# KiCad board DQBSC.kicad_pcb (continued)
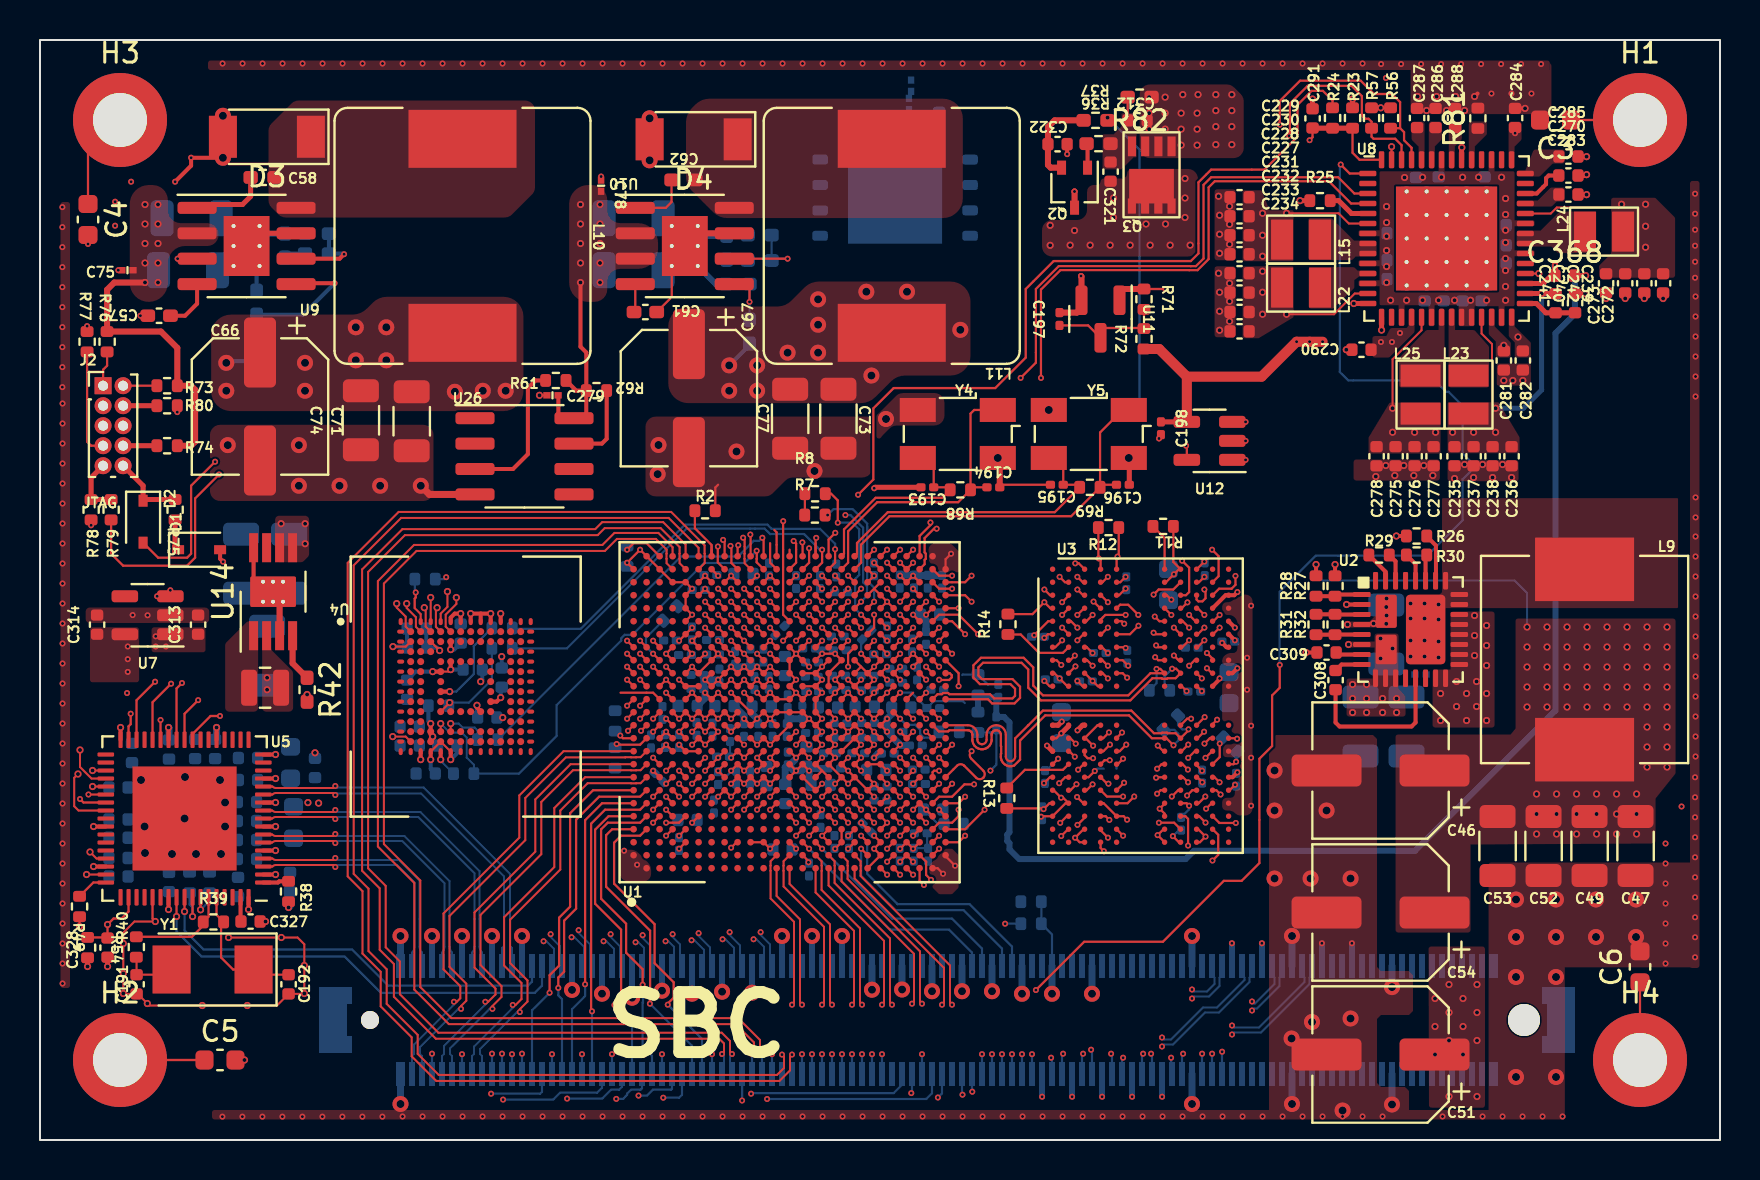
[diagram p0: board, top side]
## Routing (per net, layer and track width the routed paths; a pad name or vN(x,y) marks a point on that pad's centre or on a via; arc(x,y) is an arc through that point) (continued)
DRAM_DQS1_P: length 24.4
  TOP w0.11: U3.D10 57.88,26.59 v2(58.22,26.25) ; U1.AB21 v2(43.65,26.91)
  S1 w0.11: v2(43.65,26.91) 43.85,27.11 43.85,27.32 45.35,28.82 45.45,28.82 45.65,29.02 45.68,29.02 45.85,29.19 45.85,29.31 45.97,29.44 46.46,29.44 46.57,29.38 47.44,29.38 48.14,28.68 48.23,28.68 48.41,28.49 48.5,28.53 48.56,28.59 48.56,28.95 49.08,29.47 49.23,29.47 49.53,29.17 49.53,28.8 49.84,28.49 49.92,28.53 50.06,28.66 50.06,29.17 50.35,29.47 52.21,29.47 52.53,29.14 52.53,28.76 52.71,28.58 52.99,28.58 53.19,28.78 54.08,28.78 54.19,28.89 54.19,29.27 54.51,29.6 54.82,29.6 54.88,29.6 54.99,29.57 55.09,29.51 55.18,29.42 55.23,29.32 55.26,29.21 55.27,29.15 55.27,29.03 55.27,28.99 55.3,28.92 55.35,28.86 55.42,28.83 55.46,28.83 55.48,28.83 55.52,28.83 55.59,28.86 55.65,28.92 55.68,28.99 55.68,29.03 55.68,29.15 55.68,29.21 55.71,29.32 55.77,29.42 55.85,29.51 55.95,29.57 56.07,29.6 56.12,29.6 57.41,29.6 57.87,29.14 57.87,28.53 57.61,28.28 57.61,27.62 57.96,27.27 57.96,26.51 v2(58.22,26.25)
DRAM_DQS2_N: length 21
  TOP w0.11: v2(52.63,17.78) 52.34,17.49 U3.V3 ; U1.AC1 43.98,12.97 v2(44.2,12.75)
  S2 w0.11: v2(44.2,12.75) 44.37,12.75 44.49,12.64 44.49,12.51 44.25,12.27 43.84,12.27 43.56,11.99 43.56,11.43 44.04,10.95 44.45,10.95 44.78,11.28 44.78,11.64 45.06,11.92 45.36,11.92 ; v2(52.63,17.78) 52.63,17.33 52.75,17.2 52.75,16.41 53.01,16.16 53.01,14.99 52.7,14.68 52.7,13.77 52.4,13.46 52.4,12.09 52.07,11.77 51.51,11.77 51.16,11.41 50.44,11.41 arc(49.98,11.6) 49.79,12.06 49.79,12.63 arc(49.68,12.92) 49.39,13.03 arc(49.11,12.92) 48.99,12.63 48.99,12.06 arc(48.8,11.6) 48.34,11.41 47.65,11.41 47.09,11.97 46.58,11.97
DRAM_DQS2_P: length 20.6
  TOP w0.11: U3.W3 52.16,16.84 v2(51.85,17.15) ; U1.AC2 44.3,13.91 44.3,13.25 v2(44.55,13.01)
  S2 w0.11: 45.26,12.17 44.96,12.17 44.53,11.74 44.53,11.38 44.35,11.2 44.15,11.2 43.81,11.54 43.81,11.89 43.94,12.02 44.35,12.02 44.74,12.41 44.74,12.74 44.55,12.93 v2(44.55,13.01) ; v2(51.85,17.15) 52.45,17.15 52.5,17.1 52.5,16.31 52.76,16.05 52.76,15.09 52.45,14.79 52.45,13.87 52.15,13.57 52.15,12.2 51.97,12.02 51.41,12.02 51.05,11.66 50.44,11.66 arc(50.16,11.78) 50.04,12.06 50.04,12.63 arc(49.85,13.09) 49.39,13.28 arc(48.93,13.09) 48.74,12.63 48.74,12.06 arc(48.63,11.78) 48.34,11.66 47.75,11.66 47.19,12.22 46.58,12.22
DRAM_DQS3_N: length 24.6
  TOP w0.11: U3.V10 57.62,17.49 v2(57.35,17.22) ; U1.AC5 v2(44.3,15.86)
  S1 w0.11: v2(44.3,15.86) 44.3,15.69 44.41,15.58 44.51,15.58 44.73,15.8 45.34,15.8 45.64,15.5 45.64,14.99 45.79,14.84 46.75,14.84 arc(46.83,14.87) 46.85,14.94 46.85,15.71 arc(46.96,15.96) 47.2,16.06 arc(47.45,15.96) 47.55,15.71 47.55,14.94 arc(47.58,14.87) 47.65,14.84 48,14.84 48.23,15.07 48.23,15.57 48.7,16.04 49.21,16.04 49.68,15.57 49.68,15.27 49.91,15.04 50.2,15.04 50.43,15.27 50.43,16.17 50.9,16.64 54.61,16.64 55.18,16.07 55.18,14.97 55.5,14.65 56.93,14.65 57.23,14.35 57.53,14.35 57.75,14.57 57.75,16.84 57.36,17.22 v2(57.35,17.22)
DRAM_DQS3_P: length 25.6
  TOP w0.11: v2(58.27,17.17) 57.93,16.84 U3.W10 ; U1.AB5 v2(43.65,15.86)
  S1 w0.11: v2(43.65,15.86) 44.21,15.31 44.59,15.31 44.83,15.55 45.24,15.55 45.39,15.39 45.39,14.89 45.69,14.59 46.75,14.59 arc(47,14.69) 47.1,14.94 47.1,15.71 arc(47.13,15.79) 47.2,15.81 arc(47.28,15.79) 47.3,15.71 47.3,14.94 arc(47.41,14.69) 47.65,14.59 48.11,14.59 48.48,14.96 48.48,15.46 48.81,15.79 49.1,15.79 49.43,15.46 49.43,15.16 49.8,14.79 50.31,14.79 50.68,15.16 50.68,16.06 51.01,16.39 54.5,16.39 54.93,15.96 54.93,14.86 55.4,14.4 56.83,14.4 57.13,14.1 57.63,14.1 57.96,14.43 57.96,16.87 v2(58.27,17.17)
DRAM_nCS0_A: length 16.6
  TOP w0.11: U3.H4 53.12,23.99 v2(53.39,23.71) ; U1.AE18 v2(45.6,24.31)
  PW2 w0.11: v2(45.6,24.31) 45.71,24.21 45.89,24.21 45.96,24.28 45.96,24.63 45.76,24.83 45.57,24.83 45.46,24.94 45.46,25.09 45.63,25.26 45.74,25.26 46.03,24.97 46.07,24.97 arc(46.14,24.94) 46.17,24.87 46.17,24.77 arc(46.2,24.7) 46.27,24.67 arc(46.34,24.7) 46.37,24.77 46.37,24.87 arc(46.4,24.94) 46.47,24.97 arc(46.54,24.94) 46.57,24.87 46.57,24.77 arc(46.6,24.7) 46.67,24.67 arc(46.74,24.7) 46.77,24.77 46.77,24.87 arc(46.8,24.94) 46.87,24.97 arc(46.94,24.94) 46.97,24.87 46.97,24.77 arc(47,24.7) 47.07,24.67 arc(47.14,24.7) 47.17,24.77 47.17,24.87 arc(47.2,24.94) 47.27,24.97 arc(47.34,24.94) 47.37,24.87 47.37,24.77 arc(47.4,24.7) 47.47,24.67 arc(47.54,24.7) 47.57,24.77 47.57,24.87 arc(47.6,24.94) 47.67,24.97 arc(47.74,24.94) 47.77,24.87 47.77,24.77 arc(47.8,24.7) 47.87,24.67 arc(47.94,24.7) 47.97,24.77 47.97,24.87 arc(48,24.94) 48.07,24.97 48.36,24.97 arc(48.4,24.95) 48.41,24.92 arc(48.43,24.88) 48.47,24.86 48.61,24.86 arc(48.65,24.88) 48.66,24.92 arc(48.68,24.95) 48.72,24.97 48.86,24.97 arc(48.9,24.95) 48.91,24.92 arc(48.93,24.88) 48.97,24.86 49.11,24.86 arc(49.15,24.88) 49.16,24.92 arc(49.18,24.95) 49.22,24.97 49.44,24.97 49.61,24.81 49.89,24.81 50.05,24.65 50.05,24.64 50.18,24.64 50.51,24.97 50.68,24.97 51,24.64 51.33,24.64 51.42,24.55 51.86,24.55 52.14,24.27 52.22,24.27 52.29,24.34 52.29,24.81 52.36,24.89 52.51,24.89 52.94,24.46 52.94,24.2 52.84,24.1 52.84,23.96 52.94,23.86 53.1,23.86 53.29,24.05 53.95,24.05 54.02,23.99 54.02,23.76 53.97,23.71 v2(53.39,23.71)
DRAM_nCS0_B: length 16.6
  TOP w0.11: v2(53.5,19.77) 53.17,19.44 U3.R4 ; U1.AC9 v2(43.65,19.11)
  PW2 w0.11: v2(43.65,19.11) 43.65,18.91 44.06,18.51 44.06,17.71 44.15,17.61 44.55,17.61 44.64,17.7 44.64,17.91 44.84,18.11 45.02,18.11 45.48,18.57 46.85,18.57 47.98,17.45 48.86,17.45 arc(48.95,17.48) 48.98,17.57 arc(49.02,17.65) 49.1,17.69 49.21,17.69 arc(49.3,17.65) 49.33,17.57 arc(49.37,17.48) 49.45,17.45 52.71,17.45 52.92,17.66 52.92,17.82 53.25,18.15 53.75,18.15 54.53,18.93 54.53,19.13 54.15,19.51 54.05,19.51 53.8,19.77 v2(53.5,19.77)
DRAM_nCS1_A: length 16.7
  TOP w0.11: U3.H3 52.35,23.99 v2(52.63,23.71) ; U1.AC18 v2(44.3,24.31)
  PW2 w0.11: v2(52.63,23.71) 52.97,23.37 52.97,22.85 52.74,22.62 51.37,22.62 arc(51.31,22.64) 51.29,22.7 arc(51.27,22.75) 51.22,22.77 50.77,22.77 arc(50.71,22.75) 50.69,22.7 arc(50.67,22.64) 50.62,22.62 49.96,22.62 49.4,23.19 49.23,23.19 arc(49.16,23.16) 49.13,23.09 49.13,22.94 arc(49.1,22.87) 49.03,22.84 arc(48.96,22.87) 48.93,22.94 48.93,23.09 arc(48.9,23.16) 48.83,23.19 arc(48.76,23.16) 48.73,23.09 48.73,22.94 arc(48.7,22.87) 48.63,22.84 arc(48.56,22.87) 48.53,22.94 48.53,23.09 arc(48.5,23.16) 48.43,23.19 arc(48.36,23.16) 48.33,23.09 48.33,22.94 arc(48.3,22.87) 48.23,22.84 arc(48.16,22.87) 48.13,22.94 48.13,23.09 arc(48.1,23.16) 48.03,23.19 arc(47.96,23.16) 47.93,23.09 47.93,22.94 arc(47.9,22.87) 47.83,22.84 arc(47.76,22.87) 47.73,22.94 47.73,23.09 arc(47.7,23.16) 47.63,23.19 arc(47.56,23.16) 47.53,23.09 47.53,22.94 arc(47.5,22.87) 47.43,22.84 arc(47.36,22.87) 47.33,22.94 47.33,23.09 arc(47.3,23.16) 47.23,23.19 arc(47.16,23.16) 47.13,23.09 47.13,22.94 arc(47.1,22.87) 47.03,22.84 arc(46.96,22.87) 46.93,22.94 46.93,23.09 arc(46.9,23.16) 46.83,23.19 arc(46.76,23.16) 46.73,23.09 46.73,22.94 arc(46.7,22.87) 46.63,22.84 arc(46.56,22.87) 46.53,22.94 46.53,23.09 arc(46.5,23.16) 46.43,23.19 45.79,23.19 45.27,22.67 44.88,22.67 44.66,22.89 44.66,23.14 44.49,23.31 44.2,23.31 44,23.51 44,24.01 v2(44.3,24.31)
DRAM_nCS1_B: length 16.6
  TOP w0.11: U3.R3 52.23,19.24 52.38,19.09 v2(52.65,19.09) ; v2(44.95,18.46) 44.7,18.46 44.63,18.39 U1.AD8
  PW2 w0.11: v2(44.95,18.46) 45,18.46 45.35,18.81 45.75,18.81 45.95,19.01 46.15,19.01 46.35,18.81 47.75,18.81 arc(47.84,18.78) 47.88,18.69 47.88,18.09 arc(47.92,18) 48,17.96 arc(48.09,18) 48.13,18.09 48.13,18.69 arc(48.17,18.78) 48.25,18.81 arc(48.34,18.78) 48.38,18.69 48.38,18.09 arc(48.42,18) 48.5,17.96 arc(48.59,18) 48.63,18.09 48.63,18.69 arc(48.67,18.78) 48.75,18.81 48.85,18.81 49.45,18.21 51.05,18.21 arc(51.14,18.18) 51.18,18.09 arc(51.22,18) 51.3,17.96 51.4,17.96 arc(51.49,18) 51.53,18.09 arc(51.57,18.18) 51.65,18.21 51.95,18.21 52.02,18.15 52.09,18.15 arc(52.18,18.19) 52.22,18.28 arc(52.26,18.37) 52.34,18.4 arc(52.43,18.37) 52.47,18.28 arc(52.51,18.19) 52.59,18.15 52.89,18.15 53.15,18.41 53.55,18.41 53.78,18.64 53.78,19.11 53.61,19.28 53.36,19.28 53.19,19.11 53.19,18.95 53.05,18.81 52.75,18.81 52.65,18.91 v2(52.65,19.09)
DRAM_nRST: length 20.5
  TOP w0.11: v2(58.99,19.82) 58.99,19.15 U3.T11 ; U1.AB13 v2(43.65,21.06)
  S1 w0.11: v2(43.65,21.06) 43.65,21.21 43.95,21.51 45.75,21.51 45.95,21.31 49.35,21.31 50.15,22.11 51.55,22.11 51.98,22.54 52.61,22.54 52.7,22.51 53.75,22.51 54.35,21.91 58.75,21.91 59.55,21.11 59.55,20.39 v2(58.99,19.82)
DRAM_VREF: length 2.7
  TOP w0.25: U8.31 75.17,42.82 75.17,42.84 75.55,43.22 C368.1
  TOP w0.3: C368.1 v2(75.75,43.74)
  BOT w0.3: R67.2 75.72,43.71 v2(75.75,43.74)
DRAMREF: length 67.1
  TOP w0.11: U1.AA14 v2(43,22.36)
  BOT w0.11: v2(43,22.36) 43.57,22.36 C315.1 44.69,21.94 46.15,21.94 46.24,21.85
  BOT w0.3: R67.1 76.74,41.3 75.77,40.33 75.77,21.48 68.76,14.46 57.69,14.46 57.28,14.05 48.96,14.05 48.47,14.53 48.47,14.84 48.36,14.95 48.36,15.28 48.47,15.39 48.47,20.88 48.2,21.15 C317.2 47.81,22.04 C318.1 47.01,22.14 R66.2 R65.1
DSI_CLK_N: length 21.7
  TOP w0.11: U1.C16 v2(30.65,23.66)
  S1 w0.1: v2(31.28,9.94) 31.28,10.08 26.25,15.1 26.25,21.83 26.84,22.41 30.14,22.41 30.45,22.73 30.45,23.08 30.83,23.45 30.83,23.49 v2(30.65,23.66)
  BOT w0.1: v2(31.28,9.94) 31.42,9.94 31.7,9.66 31.7,9.25 31.6,9.15 J1.A28
DSI_CLK_P: length 21.7
  TOP w0.11: U1.D16 v2(31.3,23.66)
  S1 w0.1: v2(31.3,23.66) 31.13,23.49 31.13,23.33 30.75,22.95 30.75,22.6 30.27,22.11 26.97,22.11 26.55,21.7 26.55,15.23 31.49,10.29 v2(31.63,10.29)
  BOT w0.1: v2(31.63,10.29) 31.63,10.15 32,9.78 32,9.25 32.1,9.15 J1.A29
DSI_D0_N: length 22
  TOP w0.11: U1.A17 v2(29.35,24.31)
  S1 w0.1: v2(29.35,24.31) 25.07,24.31 24.31,23.56 24.31,12.54 26.58,10.28 v2(26.58,10.14)
  BOT w0.1: J1.A19 27.1,9.15 27.2,9.25 27.2,9.66 26.72,10.14 v2(26.58,10.14)
DSI_D0_P: length 22.3
  TOP w0.11: U1.B17 v2(30,24.31)
  S1 w0.1: v2(30,24.31) 29.7,24.01 25.19,24.01 24.61,23.44 24.61,12.67 26.79,10.49 v2(26.93,10.49)
  BOT w0.1: J1.A20 27.6,9.15 27.5,9.25 27.5,9.78 26.93,10.35 v2(26.93,10.49)
DSI_D1_N: length 21
  TOP w0.11: U1.A16 v2(29.35,23.66)
  S1 w0.1: v2(29.35,23.66) 25.69,23.66 25,22.98 25,13.25 28.18,10.08 v2(28.18,9.94)
  BOT w0.1: v2(28.18,9.94) 28.32,9.94 28.7,9.56 28.7,9.25 28.6,9.15 J1.A22
DSI_D1_P: length 21.3
  TOP w0.11: U1.B16 v2(30,23.66)
  S1 w0.1: v2(30,23.66) 29.7,23.36 25.82,23.36 25.3,22.85 25.3,13.38 28.39,10.29 v2(28.53,10.29)
  BOT w0.1: J1.A23 29.1,9.15 29,9.25 29,9.68 28.53,10.15 v2(28.53,10.29)
DSI_D2_N: length 22.8
  TOP w0.11: U1.A18 v2(29.35,24.96)
  S1 w0.1: v2(25.18,9.94) 25.18,10.08 23.62,11.64 23.62,23.89 24.69,24.96 v2(29.35,24.96)
  BOT w0.1: J1.A16 25.6,9.15 25.7,9.25 25.7,9.56 25.32,9.94 v2(25.18,9.94)
DSI_D2_P: length 23.1
  TOP w0.11: U1.B18 v2(30,24.96)
  S1 w0.1: v2(25.53,10.29) 25.39,10.29 23.92,11.76 23.92,23.77 24.82,24.66 29.7,24.66 v2(30,24.96)
  BOT w0.1: J1.A17 26.1,9.15 26,9.25 26,9.68 25.53,10.15 v2(25.53,10.29)
DSI_D3_N: length 20.2
  TOP w0.11: U1.A15 v2(29.35,23.01)
  S1 w0.1: v2(29.78,9.89) 29.78,10.03 25.59,14.22 25.59,22.3 26.3,23.01 v2(29.35,23.01)
  BOT w0.1: J1.A25 30.1,9.15 30.2,9.25 30.2,9.61 29.92,9.89 v2(29.78,9.89)
DSI_D3_P: length 20.4
  TOP w0.11: U1.B15 v2(30,23.01)
  S1 w0.1: v2(30,23.01) 29.7,22.71 26.43,22.71 25.89,22.17 25.89,14.35 29.99,10.24 v2(30.13,10.24)
  BOT w0.1: J1.A26 30.6,9.15 30.5,9.25 30.5,9.73 30.13,10.1 v2(30.13,10.24)
ENET_INT: length 1.6
  TOP w0.11: U5.51 2.67,12.87 R49.2
ENET_MDC: length 6.1
  TOP w0.1: v4(2.5,14.4) 2.83,14.07 U5.48
  TOP w0.11: U1.N20 37.15,26.26 37.15,30.93 v2(37.16,30.94)
ENET_MDIO: length 1.4
  TOP w0.1: U5.50 v4(2.33,13.27)
  TOP w0.11: U1.N19 v2(37.15,24.96)
ENET_NRST: length 3.7
  TOP w0.11: U5.53 4.43,11.42 4.08,11.07 3.68,11.07 v4(3.38,10.77) C328.1 3.35,10.13 R54.2
ENET_RD0: length 37.9
  TOP w0.11: U1.U19 v2(39.75,25.61) ; U5.29 v2(6.03,21)
  S2 w0.11: v2(39.75,25.61) 39.52,25.61 39.23,25.32 39.04,25.32 38.75,25.03 38.75,24.8 36.61,22.66 36.38,22.66 36.21,22.49 36.21,22.26 35.96,22.01 28.64,22.01 28.2,22.45 21.75,22.45 20.85,21.55 8.75,21.55 8.02,20.81 7.19,20.81 7,21 v2(6.03,21)
ENET_RD1: length 43.5
  TOP w0.11: v2(7.1,22.85) 6.83,22.58 U5.27 ; U1.U21 v2(40.4,26.91)
  S2 w0.11: v2(40.4,26.91) 40.17,26.91 39.88,26.62 39.6,26.62 39.4,26.82 39.4,27.04 39.23,27.21 39.01,27.21 38.81,27.41 38.81,27.69 38.64,27.86 38.39,27.86 38.11,28.14 38.11,28.55 37.28,29.39 37.28,29.64 37.15,29.77 37.15,30.43 36.06,31.51 18.15,31.51 12.15,25.51 9.75,25.51 7.1,22.86 v2(7.1,22.85)
ENET_RD2: length 41.1
  TOP w0.11: U1.U20 v2(40.4,26.26) ; v2(7.91,21.99) 7.23,21.31 U5.26
  S2 w0.11: v2(40.4,26.26) 40.11,25.97 37.66,25.97 37.02,26.61 37.02,26.81 36.63,27.21 36.43,27.21 36.21,27.44 36.21,27.63 35.92,27.92 35.73,27.92 34.3,29.35 34.3,29.38 32.28,29.38 31.45,30.21 24.74,30.21 24.37,30.59 21.86,30.59 21.24,29.96 18.35,29.96 12.9,24.51 10.63,24.51 10.23,24.11 10.03,24.11 v2(7.91,21.99)
ENET_RD3: length 36.6
  TOP w0.11: U1.V19 v2(40.4,25.61) ; U5.25 7.63,20.3 8.53,21.2 v2(9,21.2)
  S2 w0.11: v2(9,21.2) 21.77,21.2 22.17,21.6 27.03,21.6 27.22,21.41 35.97,21.41 36.8,22.24 36.8,22.57 38.23,24 39.2,24 39.46,24.25 39.46,25.15 39.63,25.32 40.11,25.32 v2(40.4,25.61)
ENET_RX_CTL: length 44.3
  TOP w0.11: U1.T21 v2(39.75,26.91) ; v2(6.55,22.81) 5.63,21.89 U5.30
  S2 w0.11: v2(39.75,26.91) 39.75,27.15 39.46,27.44 39.46,27.69 39.29,27.86 38.96,27.86 38.75,28.07 38.75,28.45 37.35,29.85 37.35,30.1 37.48,30.23 37.48,31.48 37.09,31.86 18.1,31.86 11.95,25.71 9.51,25.71 6.61,22.81 v2(6.55,22.81)
ENET_RXC: length 47.3
  TOP w0.11: v2(5.75,22.91) 4.83,21.99 U5.32 ; U1.T20 v2(39.75,26.26)
  S2 w0.11: v2(5.75,22.91) 10.86,28.02 10.86,28.04 13.31,30.49 13.39,30.49 15.06,32.16 37.22,32.16 37.86,31.53 37.86,30.61 38.75,29.72 38.75,29.45 39.46,28.74 39.46,28.09 39.63,27.92 39.82,27.92 40.11,27.63 40.11,27.44 40.34,27.21 40.55,27.21 40.7,27.06 40.7,26.79 40.47,26.56 40.1,26.56 39.8,26.26 v2(39.75,26.26)
ENET_TD0: length 47.7
  TOP w0.1: v4(2,19.5) 2,18.65 2.58,18.07 U5.38
  TOP w0.11: U1.R20 v2(38.45,26.26)
  S2 w0.11: v2(38.45,26.26) 38.1,26.62 38.1,27.1 37.18,28.02 37.18,28.91 36.75,29.35 36.75,30.18 35.94,30.99 21.61,30.99 21.34,30.71 18.15,30.71 12.55,25.11 10.3,25.11 7.5,22.31 4.74,22.31 4.47,22.05 3.89,22.05 2,20.16 v4(2,19.5)
ENET_TD1: length 51.5
  TOP w0.1: 2.42,17.28 v2(2.42,17.27) U5.40
  TOP w0.11: U1.R21 v2(39.1,26.26)
  S2 w0.11: v2(39.1,26.26) 38.81,26.56 38.81,26.98 38.54,27.25 38.3,27.25 37.46,28.09 37.46,28.92 36.95,29.43 36.95,30.28 36.02,31.21 18.15,31.21 12.26,25.31 10.15,25.31 7.35,22.51 5.23,22.51 5.1,22.64 3.88,22.64 1.57,20.33 1.57,16.93 1.8,16.7 2.15,16.7 2.42,16.97 2.42,17.28
ENET_TD2: length 47.5
  TOP w0.11: U1.R19 v2(38.45,25.61) ; v2(2,17.05) 2.18,16.87 U5.41
  S2 w0.11: v2(2,17.05) 2,17.59 2.23,17.82 2.23,18.58 3.55,19.9 3.55,20.75 4.42,21.61 5.65,21.61 5.73,21.7 8.05,21.7 10.27,23.91 13.3,23.91 19,29.61 21.21,29.61 21.98,30.39 23.93,30.39 24.45,29.86 30.93,29.86 31.68,29.11 34.21,29.11 35.56,27.76 35.56,27.38 35.73,27.21 35.98,27.21 36.21,26.98 36.21,26.74 36.33,26.61 36.57,26.61 36.84,26.35 36.84,26.16 37.39,25.61 v2(38.45,25.61)
ENET_TD3: length 49.1
  TOP w0.1: v4(1.9,18.3) 1.71,18.11 1.71,16.69 1.93,16.47 U5.42
  TOP w0.11: U1.P20 v2(37.8,26.26)
  S2 w0.11: v2(37.8,26.26) 37.8,26.47 36.97,27.31 36.97,28.85 36.55,29.26 36.55,30.1 35.86,30.79 21.78,30.79 21.35,30.36 18.2,30.36 12.75,24.91 10.38,24.91 7.38,21.91 5.66,21.91 5.6,21.85 3.99,21.85 3.35,21.21 3.35,20.25 1.9,18.8 v4(1.9,18.3)
ENET_TX_CTL: length 37.7
  TOP w0.11: v2(4.53,21.31) 4.53,20.79 4.43,20.68 U5.33 ; U1.P19 v2(37.8,24.96)
  S2 w0.11: v2(4.53,21.31) 5.64,21.31 5.64,21.33 5.81,21.5 6.77,21.5 6.85,21.41 8.05,21.41 10.35,23.71 19.19,23.71 19.52,24.05 22.75,24.05 23.08,23.71 23.65,23.71 24.15,24.21 27.75,24.21 28.6,23.37 35.98,23.37 36.15,23.54 36.15,23.73 36.38,23.96 36.63,23.96 37.63,24.96 v2(37.8,24.96)
ENET_TXC: length 42.3
  TOP w0.1: v4(2.63,18.47) U5.37
  TOP w0.11: U1.T19 v2(39.1,25.61)
  S2 w0.11: v4(2.63,18.47) 3.82,18.47 5.45,20.1 5.45,20.83 5.73,21.11 5.73,21.12 5.91,21.3 6.15,21.3 6.25,21.2 8.12,21.2 8.74,21.81 19.3,21.81 21,23.51 27.63,23.51 28.48,22.66 35.33,22.66 35.42,22.57 35.57,22.72 35.98,22.72 36.15,22.89 36.15,23.14 36.38,23.37 36.63,23.37 36.8,23.54 36.8,23.85 37.56,24.61 37.87,24.61 38.15,24.89 38.15,25.08 38.37,25.3 38.56,25.3 38.87,25.61 v2(39.1,25.61)
GBE0_MDI0_N: length 18.4
  TOP w0.1: U5.12 11.62,17.27 arc(11.7,17.33) 11.8,17.35 14.67,17.35 v2(14.77,17.25)
  BOT w0.1: v2(14.77,17.25) 14.84,17.32 19.05,17.32 23.2,13.18 23.2,9.7 23.1,9.6 J1.A11
GBE0_MDI0_P: length 18.9
  TOP w0.1: v2(14.77,17.7) 14.67,17.6 11.8,17.6 arc(11.7,17.62) 11.62,17.67 U5.13
  BOT w0.1: J1.A12 23.6,9.6 23.5,9.7 23.5,13.3 19.18,17.62 14.84,17.62 v2(14.77,17.7)
GBE0_MDI1_N: length 16.5
  TOP w0.1: v2(14.77,16.05) 14.67,16.15 11.79,16.15 arc(11.69,16.13) 11.61,16.07 U5.9
  BOT w0.1: J1.A8 21.6,9.37 arc(21.69,9.51) 21.73,9.67 21.73,13.34 18.91,16.15 14.87,16.15 v2(14.77,16.05)
GBE0_MDI1_P: length 16.9
  TOP w0.1: U5.10 11.61,16.47 arc(11.69,16.42) 11.79,16.4 14.67,16.4 v2(14.77,16.5)
  BOT w0.1: J1.A9 22.1,9.38 arc(22.01,9.51) 21.98,9.68 21.98,13.44 19.02,16.4 14.87,16.4 v2(14.77,16.5)
GBE0_MDI2_N: length 14.2
  TOP w0.1: v2(14.77,14.85) 14.67,14.95 11.79,14.95 arc(11.69,14.93) 11.61,14.87 U5.6
  BOT w0.1: J1.A5 20.1,9.37 arc(20.19,9.51) 20.23,9.67 20.23,12.84 18.11,14.95 14.87,14.95 v2(14.77,14.85)
GBE0_MDI2_P: length 14.6
  TOP w0.1: v2(14.77,15.3) 14.67,15.2 11.79,15.2 arc(11.69,15.22) 11.61,15.27 U5.7
  BOT w0.1: J1.A6 20.6,9.38 arc(20.51,9.51) 20.48,9.68 20.48,12.94 18.22,15.2 14.87,15.2 v2(14.77,15.3)
GBE0_MDI3_N: length 12.2
  TOP w0.1: v2(14.77,13.65) 14.67,13.75 11.8,13.75 arc(11.7,13.73) 11.62,13.67 U5.3
  BOT w0.1: J1.A2 18.6,9.37 arc(18.69,9.51) 18.73,9.67 18.73,12.87 17.85,13.75 14.87,13.75 v2(14.77,13.65)
GBE0_MDI3_P: length 12.6
  TOP w0.1: U5.4 11.62,14.07 arc(11.7,14.02) 11.8,14 14.67,14 v2(14.77,14.1)
  BOT w0.1: J1.A3 19.1,9.38 arc(19.01,9.51) 18.98,9.68 18.98,12.97 17.95,14 14.87,14 v2(14.77,14.1)
GPIO0: length 26.5
  TOP w0.11: U1.T6 v2(39.75,16.51)
  S2 w0.11: v2(39.75,16.51) 40.08,16.19 40.08,13.09 42.09,11.08 42.09,10.45 43.75,8.78 53.29,8.78 57.15,4.91 v2(57.15,4.31)
  BOT w0.11: J1.B79 57.1,4.26 v2(57.15,4.31)
GPIO1: length 27.3
  TOP w0.11: U1.T7 v2(39.1,17.16)
  S2 w0.11: v2(39.1,17.16) 38.81,16.87 38.81,13.81 41.89,10.73 41.89,10.36 43.66,8.58 53.06,8.58 56.55,5.09 v2(56.55,4.11)
  BOT w0.11: J1.B78 56.55,3.35 v2(56.55,4.11)
GPIO2: length 27.6
  TOP w0.11: U1.R4 v2(38.45,15.21)
  S1 w0.11: v2(38.45,15.21) 38.13,14.89 38.13,13.74 38.35,13.51 38.75,13.51 43.35,8.91 54.15,8.91 58.6,4.46 v2(58.6,4.31)
  BOT w0.11: v2(58.6,4.31) 58.6,4.31 J1.B82
GPIO3: length 28.2
  TOP w0.11: U1.P4 v2(37.8,15.21)
  S1 w0.11: v2(58.1,4.31) 58.1,4.56 53.95,8.71 43.15,8.71 38.75,13.11 37.55,13.11 37.35,13.31 37.35,14.76 v2(37.8,15.21)
  BOT w0.11: J1.B81 58.1,4.31 v2(58.1,4.31)
GPIO4: length 28
  TOP w0.11: U1.P5 v2(38.45,15.86)
  S1 w0.11: v2(59.1,4.41) 59.1,4.56 54.55,9.11 51.15,9.11 50.95,9.31 43.35,9.31 38.75,13.92 38.75,15.57 v2(38.45,15.86)
  BOT w0.11: J1.B83 59.1,4.41 v2(59.1,4.41)
GPIO5: length 27.1
  TOP w0.11: U1.P7 v2(38.45,17.16)
  S2 w0.11: v2(38.45,17.16) 38.13,16.84 38.13,13.76 40.31,11.58 40.69,11.58 41.69,10.58 41.69,10.28 43.58,8.38 52.49,8.38 55.55,5.31 v2(55.55,4.31)
  BOT w0.11: J1.B76 55.6,4.27 v2(55.55,4.31)
GPIO6: length 25.3
  TOP w0.11: U1.N5 v2(37.8,15.86)
  S2 w0.11: v2(37.8,15.86) 37.51,15.57 37.51,14.1 40.23,11.38 40.61,11.38 41.49,10.5 41.49,10.2 43.5,8.18 50.96,8.18 54.83,4.31 v2(55.15,4.31)
  BOT w0.11: J1.B75 55.1,4.26 v2(55.15,4.31)
GPIO8: length 26.9
  TOP w0.11: U1.N7 v2(37.8,17.16)
  S2 w0.11: v2(54.15,4.11) 54.15,4.51 52.2,6.47 43.31,6.47 42.35,7.43 42.35,7.53 40.9,8.98 40.9,10.17 40.33,10.75 40.3,10.75 37.11,13.93 37.11,16.47 v2(37.8,17.16)
  BOT w0.11: v2(54.15,4.11) 54.1,4.06 J1.B73
GPIO9: length 26.4
  TOP w0.11: U1.M6 v2(36.5,16.51)
  S2 w0.11: v2(53.55,4.31) 51.6,6.27 42.01,6.27 39.55,8.73 39.55,10.82 36.91,13.47 36.91,13.51 36.82,13.6 36.82,16.2 v2(36.5,16.51)
  BOT w0.11: J1.B72 53.6,4.27 v2(53.55,4.31)
GPIO10: length 27.2
  TOP w0.11: U1.M7 v2(36.5,17.16)
  S2 w0.11: v2(36.5,17.16) 36.15,16.81 36.15,13.98 36.71,13.43 36.71,13.38 39.15,10.94 39.15,7.79 40.88,6.07 51,6.07 v2(52.55,4.51)
  BOT w0.11: v2(52.55,4.51) 52.6,4.47 J1.B70
GPIO11: length 26.9
  TOP w0.11: 36.18,16.84 v2(35.85,16.51)
  S2 w0.11: v2(52.15,4.31) 50.6,5.87 39.55,5.87 38.8,6.61 38.8,8.29 38.05,9.04 38.05,11.76 35.85,13.96 v2(35.85,16.51)
  BOT w0.11: J1.B69 52.1,4.26 v2(52.15,4.31)
GPIO12: length 27
  TOP w0.11: v2(35.85,17.16) U1.L7
  S2 w0.11: v2(35.85,17.16) 35.56,16.87 35.56,13.91 37.8,11.66 37.8,9.01 38.6,8.2 38.6,6.42 39.35,5.67 49.8,5.67 v2(51.15,4.31)
  BOT w0.11: v2(51.15,4.31) 51.1,4.26 J1.B67
GPIO13: length 26.4
  TOP w0.11: U1.K6 v2(35.2,16.51)
  S2 w0.11: v2(50.55,4.11) 49.3,5.36 38.5,5.36 36.55,7.31 36.55,12.63 35.2,13.98 v2(35.2,16.51)
  BOT w0.11: J1.B66 50.6,4.07 v2(50.55,4.11)
GPIO14: length 26.7
  TOP w0.11: U1.K7 v2(35.2,17.16)
  S2 w0.11: v2(35.2,17.16) 34.91,16.87 34.91,14.78 34.95,14.74 34.95,13.76 36.35,12.36 36.35,7.06 38.35,5.06 48.83,5.06 v2(49.6,4.29)
  BOT w0.11: v2(49.6,4.29) J1.B64
GPIO15: length 26.1
  TOP w0.11: 34.88,16.84 v2(34.55,16.51)
  S2 w0.11: v2(34.55,16.51) 34.53,16.49 34.53,15.01 34.26,14.74 34.26,14.49 34.43,14.32 34.43,13.79 35.38,12.84 35.38,9.54 36.15,8.76 36.15,6.71 38,4.86 48.53,4.86 v2(49.1,4.29)
  BOT w0.11: v2(49.1,4.29) J1.B63
HDMI_AUX_N: length 11.5
  TOP w0.1: v2(45.6,6.76) 45.5,6.86 45.5,8.73 41.03,13.2 41.03,13.46 41.03,13.46 41.03,13.72 41.03,13.72 41.03,13.94 U1.V2
  BOT w0.1: v2(45.6,6.76) 45.5,6.86 45.5,8.6 J1.A56
HDMI_AUX_P: length 10.7
  TOP w0.1: U1.V1 40.73,13.08 45.2,8.61 45.2,6.86 v2(45.1,6.76)
  BOT w0.1: v2(45.1,6.76) 45.2,6.86 45.2,8.6 J1.A55
HDMI_CEC: length 12.2
  TOP w0.11: 41.38,14.89 v2(41.05,15.21)
  BOT w0.11: v2(41.05,15.21) 41.35,14.91 41.35,13.31 42.88,11.79 46.48,11.79 48.6,9.67 J1.A62
HDMI_HDP: length 11.2
  TOP w0.11: 41.38,14.24 v2(41.05,14.56)
  BOT w0.11: J1.A61 48.1,9.57 46.18,11.49 42.78,11.49 41.05,13.21 v2(41.05,14.56)
HDMI_REFCLK_N: length 9.7
  TOP w0.1: U1.R1 38.78,12.38 40.7,10.46 40.7,6.86 v2(40.6,6.76)
  BOT w0.1: v2(40.6,6.76) 40.7,6.86 40.7,8.6 J1.A46
HDMI_REFCLK_P: length 10.5
  TOP w0.1: v2(41.1,6.76) 41,6.86 41,10.58 39.08,12.5 39.08,13.46 39.08,13.46 39.08,13.72 39.08,13.72 39.08,13.94 U1.R2
  BOT w0.1: J1.A47 41,8.6 41,6.86 v2(41.1,6.76)
HDMI_SCL: length 11.4
  TOP w0.11: U1.R3 v2(39.1,14.56)
  BOT w0.11: v2(39.1,14.56) 42.6,11.07 45.6,11.07 47.1,9.57 J1.A59
HDMI_SDA: length 11.4
  TOP w0.11: U1.P3 v2(38.45,14.56)
  BOT w0.11: J1.A58 46.6,9.37 45.45,10.51 42.5,10.51 v2(38.45,14.56)
HDMI_TX0_N: length 10.8
  TOP w0.1: U1.T2 39.73,13.94 39.73,13.72 39.73,13.72 39.73,13.46 39.73,13.46 39.73,12.85 42.5,10.08 42.5,6.86 v2(42.6,6.76)
  BOT w0.1: v2(42.6,6.76) 42.5,6.86 42.5,8.6 J1.A50
HDMI_TX0_P: length 10
  TOP w0.1: U1.T1 39.43,12.73 42.2,9.96 42.2,6.86 v2(42.1,6.76)
  BOT w0.1: J1.A49 42.2,8.6 42.2,6.86 v2(42.1,6.76)
HDMI_TX1_N: length 10.3
  TOP w0.1: U1.U1 40.08,12.93 43.7,9.31 43.7,6.91 v2(43.6,6.81)
  BOT w0.1: v2(43.6,6.81) 43.7,6.91 43.7,8.6 J1.A52
HDMI_TX1_P: length 11.1
  TOP w0.1: v2(44.1,6.81) 44,6.91 44,9.43 40.38,13.05 40.38,13.46 40.38,13.46 40.38,13.72 40.38,13.72 40.38,13.94 U1.U2
  BOT w0.1: J1.A53 44,8.6 44,6.91 v2(44.1,6.81)
HDMI_TX2_N: length 9.7
  TOP w0.1: v2(39.6,6.76) 39.5,6.86 39.5,10.78 37.48,12.8 U1.N1
  BOT w0.1: v2(39.6,6.76) 39.5,6.86 39.5,8.6 J1.A44
HDMI_TX2_P: length 10.5
  TOP w0.1: v2(39.1,6.76) 39.2,6.86 39.2,10.66 37.18,12.68 37.18,13.46 37.17,13.46 37.17,13.72 37.18,13.72 37.18,13.94 U1.N2
  BOT w0.1: v2(39.1,6.76) 39.2,6.86 39.2,8.6 J1.A43
HDMI_TX3_N: length 10.1
  TOP w0.1: v2(37.6,6.76) 37.7,6.86 37.7,10.91 36.53,12.08 36.53,13.46 36.52,13.46 36.52,13.72 36.53,13.72 36.53,13.94 U1.M2
  BOT w0.1: J1.A40 37.7,8.6 37.7,6.86 v2(37.6,6.76)
HDMI_TX3_P: length 9.4
  TOP w0.1: U1.M1 36.83,12.2 38,11.03 38,6.86 v2(38.1,6.76)
  BOT w0.1: v2(38.1,6.76) 38,6.86 38,8.6 J1.A41
I2C1_SCL: length 34.6
  TOP w0.11: U1.E7 v2(31.95,17.81)
  S2 w0.11: v2(31.95,17.81) 31.66,17.52 31.66,16.86 32.1,16.41 32.1,15.58 32.27,15.41 32.27,14.31 31.07,13.11 29.55,13.11 27.55,11.11 27.55,7.09 32.03,2.61 35.8,2.61 v2(36.35,2.05)
  BOT w0.11: J1.B54 44.6,2.34 44.31,2.05 v2(36.35,2.05)
I2C1_SDA: length 30.5
  TOP w0.11: U1.E8 v2(31.95,18.46)
  S2 w0.11: v2(31.95,18.46) 32.11,18.31 32.11,18.26 32.25,18.11 32.25,17.04 32.9,16.4 32.9,13.61 32.05,12.76 32.05,8.76 31.8,8.51 31.8,4.74 33.43,3.11 36.55,3.11 36.95,2.71 44.3,2.71 v2(44.89,2.12)
  BOT w0.11: v2(44.89,2.12) 45.1,2.33 J1.B55
I2C2_SCL: length 28.7
  TOP w0.11: U1.G7 v2(33.25,17.16)
  S2 w0.11: v2(46.61,2.41) 46.31,2.71 45.35,2.71 44.95,3.11 37.35,3.11 36.95,3.51 33.95,3.51 33.25,4.21 33.25,12.81 33.63,13.19 33.63,16.32 33.25,16.7 v2(33.25,17.16)
  BOT w0.11: J1.B58 46.6,2.43 v2(46.61,2.41)
I2C2_SDA: length 29.6
  TOP w0.11: U1.F7 v2(32.6,17.16)
  S2 w0.11: v2(32.6,17.16) 32.6,17.06 33.15,16.51 33.15,13.31 32.25,12.41 32.25,8.68 32,8.43 32,4.96 33.65,3.31 36.75,3.31 37.15,2.91 44.75,2.91 45.35,2.31 46.07,2.31 v2(46.12,2.26)